# Altium PCB Arribada-PMP-PCB_ALEKSEJ_nov.-02-115654-2020_Conflict.PcbDoc (part 2 of 4) (continued)
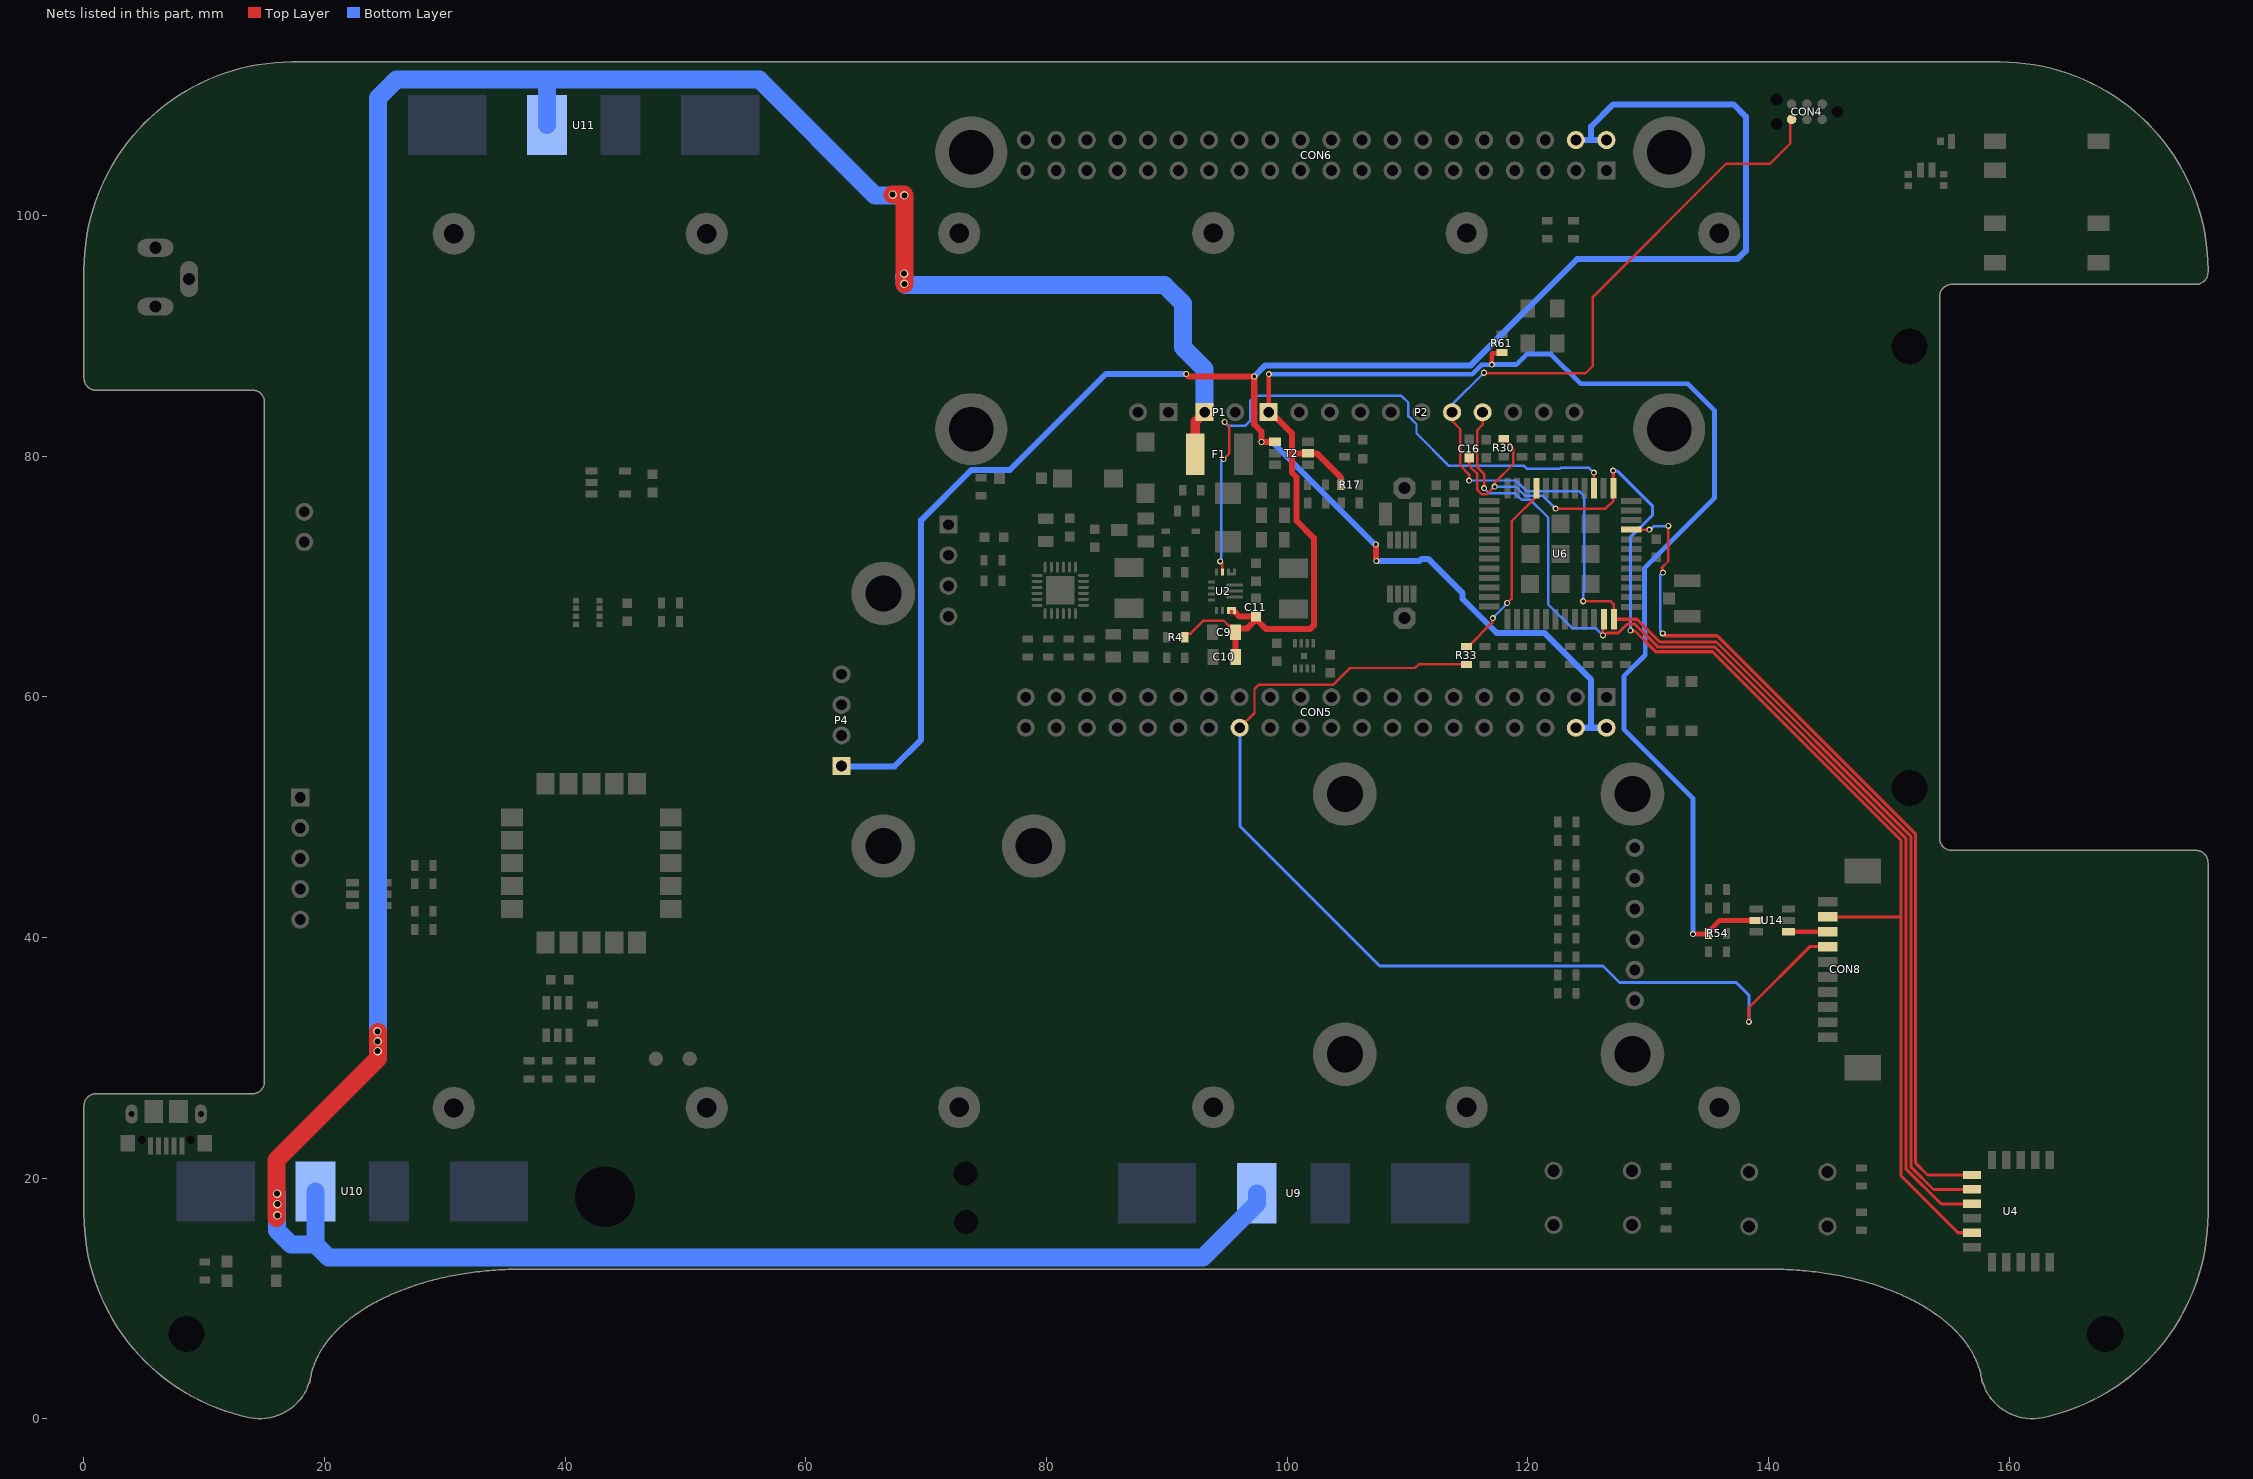
[diagram p2: the nets of this part, all layers, seen from the top]
## Part data (continued)
R36 R46 R61: library part "R - 10k", "MULTICOMP - MCMR06X103 JTL - RES, CERAMIC, 10K, 5%, 0.1W, 0603", IRNAS Part No.=I-100008, Manufacturer=MULTICOMP, Manufacturer Part Number="MCMR06X103 JTL", Power Rating=100, Resistance=10, Resistance Tolerance="± 5%", Resistor Case Style="0603 [1608 Metric]", Resistor Element Material=Ceramic, Supplier Part Number 1=2073356, Temperature Coefficient="± 100", Voltage Rating=75, Automotive Qualification Standard="-<!--FANDB--><div class=\"features-and-benefits-container\"><div class=\"features-and-benefits-description\"><span class=\"features-benefits-value\">The Multicomp MCMR series resistors are automotive grade, anti sulphured thick film chip resistor. The resistance range includes E24 and E96 decade values from 1ohm to 10Mohm. These resistors are constructed on top of a high grade ceramic body.</span></div><div class=\"features-and-benefits-list\"><ul class=\"features-and-benefits-list-list\"><li class=\"features-and-benefits-list-item\">EIA 0402, 0603, 0805, 1206 chip sizes available</li><li class=\"features-and-benefits-list-item\">High reliability and stability</li><li class=\"features-and-benefits-list-item\">Automotive grade AEC-Q200 compliant</li><li class=\"features-and-benefits-list-item\">Complaint with (IEC 60068-1) 55/155/56 climatic category</li><li class=\"features-and-benefits-list-item\">Maximum operation voltage of 50V, 75V, 150V and 200V</li><li class=\"features-and-benefits-list-item\">Power rating of 62.5mW, 100mW, 125mW and 250mW</li><li class=\"features-and-benefits-list-item\">Available in ±1% and ±5% tolerance</li><li class=\"features-and-benefits-list-item\">Temperature coefficient (TCR) of +200ppm/°C, +100ppm/°C and -200ppm/°C to +400ppm/°C</li><li class=\"features-and-benefits-list-item\">Operating temperature range -55°C to 155", ComponentLink1Description=http://www.farnell.com/datasheets/1716707.pdf, ComponentLink1URL=http://www.farnell.com/datasheets/1716707.pdf, Packaging="Cut Tape", Pricing 1="10=0.0087, 100=0.0074, 500=0.0061, 1000=0.0048, 2500=0.0032, 5000=0.0024, 25000=0.0016, 50000=0.0013 (GBP)", Product Range="MCMR Series", RoHS=Y-EX, Stock 1=19791, Supplier 1=Farnell
R40: library part "R - 2k2", "MULTICOMP - MCMR06X2201FTL - RES, CERAMIC, 2K2, 1%, 0.1W, 0603", IRNAS Part No.=I-100024, Manufacturer=MULTICOMP, Manufacturer Part Number=MCMR06X2201FTL, Supplier Part Number 1=2073429, ComponentLink1Description=http://www.farnell.com/datasheets/1716707.pdf, ComponentLink1URL=http://www.farnell.com/datasheets/1716707.pdf, Pricing 1="10=0.0099, 100=0.0059, 500=0.0042, 1000=0.0033, 2500=0.0027 (GBP)", RoHS=Y-EX, Stock 1=17638, Supplier 1=Farnell
R49 R51 R53 R54 R55 R56: library part "R - 100k", "MULTICOMP - MCMR06X104 JTL - RES, CERAMIC, 100K, 5%, 0.1W, 0603", IRNAS Part No.=I-100007, Manufacturer=MULTICOMP, Manufacturer Part Number="MCMR06X104 JTL", Power Rating=100, Resistance Tolerance="± 5%", Resistor Case Style="0603 [1608 Metric]", Resistor Element Material=Ceramic, Resistor Mounting="Surface Mount Device<!--FANDB--><div class=\"features-and-benefits-container\"><div class=\"features-and-benefits-description\"><span class=\"features-benefits-value\">The Multicomp MCMR series resistors are automotive grade, anti sulphured thick film chip resistor. The resistance range includes E24 and E96 decade values from 1ohm to 10Mohm. These resistors are constructed on top of a high grade ceramic body.</span></div><div class=\"features-and-benefits-list\"><ul class=\"features-and-benefits-list-list\"><li class=\"features-and-benefits-list-item\">EIA 0402, 0603, 0805, 1206 chip sizes available</li><li class=\"features-and-benefits-list-item\">High reliability and stability</li><li class=\"features-and-benefits-list-item\">Automotive grade AEC-Q200 compliant</li><li class=\"features-and-benefits-list-item\">Complaint with (IEC 60068-1) 55/155/56 climatic category</li><li class=\"features-and-benefits-list-item\">Maximum operation voltage of 50V, 75V, 150V and 200V</li><li class=\"features-and-benefits-list-item\">Power rating of 62.5mW, 100mW, 125mW and 250mW</li><li class=\"features-and-benefits-list-item\">Available in ±1% and ±5% tolerance</li><li class=\"features-and-benefits-list-item\">Temperature coefficient (TCR) of +200ppm/°C, +100ppm/°C and -200ppm/°C to +400ppm/°C</li><li class=\"features-and-benefits-list-item\">Operating temperature range -55°C to 155", Supplier Part Number 1=2073357, Temperature Coefficient="± 100", Voltage Rating=75, Automotive Qualification Standard=-, ComponentLink1Description=http://www.farnell.com/datasheets/1716707.pdf, ComponentLink1URL=http://www.farnell.com/datasheets/1716707.pdf, Packaging="Cut Tape", Pricing 1="10=0.0109, 100=0.0085, 500=0.006, 1000=0.0048, 2500=0.004, 5000=0.003, 25000=0.002, 50000=0.0016 (GBP)", Product Range="MCMR Series", Resistance=100, RoHS=Y-EX, Stock 1=187, Supplier 1=Farnell
S1: "SWITCH TACTILE SPST-NO 0.05A 32V", Case/Package=SMD/SMT, Current Rating=50mA, Manufacturer="ITT C&K", Manufacturer Part Number=KMR221NGLFS, Max Operating Temperature=85°C, Max Voltage Rating (DC)=32V, Min Operating Temperature=-40°C, Operating Force=2N, Package Quantity=1, Power Rating=1W, Supplier Part Number 1=2845727, Actuator Length=0.5mm, Actuator Type=Standard, ComponentLink1Description=https://www.ckswitches.com/media/1479/kmr2.pdf?src-supplier=Digi-Key, ComponentLink1URL=https://www.ckswitches.com/media/1479/kmr2.pdf?src-supplier=Digi-Key, ComponentLink2Description=http://www.ck-components.com/14414/kmr2_9aug12.pdf/?src-supplier=Avnet+Europe, ComponentLink2URL=http://www.ck-components.com/14414/kmr2_9aug12.pdf/?src-supplier=Avnet+Europe, ComponentLink3Description=http://www1.futureelectronics.com/doc/C%20-%20K%20COMPONENTS/KMR221NGLFS.pdf?src-supplier=Future+Electronics, ComponentLink3URL=http://www1.futureelectronics.com/doc/C%20-%20K%20COMPONENTS/KMR221NGLFS.pdf?src-supplier=Future+Electronics, Contact Material=Silver, Contact Plating=Silver, Depth=4.6mm, Illumination Type=Non-Illuminated, Lead Free="Lead Free", Length=2.8mm, Max Current Rating=50mA, Mechanical Life=200000Cycles, Mount="Surface Mount", Orientation=Straight, Packaging="Tape and Reel", Pricing 1="10 = 0.29100, 500 = 0.27600, 1000 = 0.21800, 5000 = 0.18500, 10000 = 0.18100 (GBP)", Radiation Hardening=No, RoHS=Yes, Stock 1=3038, Supplier 1=Farnell, Switch Function=Off-Mom, Switch Travel=0.25mm, Termination="Gull Wing", Throw Configuration=SPST, Voltage Rating (DC)=32V
SW1: library part "Tactile button", "SWITCH TACTILE SPST-NO 0.05A 32V", Actuator Color=N/A, Contact Rating @ Voltage="1 A", Dielectric Strength=">=250 Vrms", Manufacturer="ITT C&K", Manufacturer Part Number=KMR221NGLFS, Maximum DC Voltage Rating="32 V", Minimum Insulation Resistance=">=1000 MOhm", Operating Force="2 N", Operating Temperature="-40 to 85 C", Supplier Part Number 1=2845727, Actuator Length="0.5 mm", Actuator Style="Round Button", Base Material=N/A, Body Orientation=Straight, ComponentLink1Description=https://www.ckswitches.com/media/1479/kmr2.pdf, ComponentLink1URL=https://www.ckswitches.com/media/1479/kmr2.pdf, ComponentLink2Description=http://www.ck-components.com/14414/kmr2_9aug12.pdf/, ComponentLink2URL=http://www.ck-components.com/14414/kmr2_9aug12.pdf/, ComponentLink3Description=http://www.ck-components.com/index.php?module=media&action=Display&cmpref=14414&lang=en&width=&height=&format=&alt=, ComponentLink3URL=http://www.ck-components.com/index.php?module=media&action=Display&cmpref=14414&lang=en&width=&height=&format=&alt=, ComponentLink4Description=http://www1.futureelectronics.com/doc/C%20-%20K%20COMPONENTS/KMR221NGLFS.pdf, ComponentLink4URL=http://www1.futureelectronics.com/doc/C%20-%20K%20COMPONENTS/KMR221NGLFS.pdf, Contact Material=Silver, Contact Plating=Silver, Dimension="2.8 x 4.6 x 1.9 mm", ECCN=EAR99, Electrical Life=N/A, Family="KMR 2", Ground Terminal=No, Housing Material=N/A, HTS=8536501199, Illumination Type=N/R, Maximum AC Voltage Rating=N/A, Mechanical Life="200000 Cycles", Mounting="Surface Mount,Gull Wing", Packaging="Tape and Reel", Part No=KMR221NGLFS, Pole Throw Configuration=SPST, Pricing 1="10=0.278, 500=0.264, 1000=0.208, 5000=0.204, 10000=0.2 (GBP)", Product Weight=N/A, RoHS=Yes, Seal Description=N/A, Seal Location=N/A, Stock 1=4985, Supplier 1="C&K Components", Supplier Standard Pack=7,000, Switch Configuration=N.O., Type=Micro-Miniature
SW2 SW3: "Tactile Switch, B3F Series, Top Actuated, Through Hole, Round Button, 100 gf, 50mA at 24VDC", Supplier Part Number 1=959698, ComponentLink1Description=Datasheet, ComponentLink1URL=https://4donline.ihs.com/images/VipMasterIC/IC/OMRN/OMRN-S-A0001309768/OMRN-S-A0001309768-1.pdf?hkey=52A5661711E402568146F3353EA87419, Supplier 1=Farnell
T1: "ON SEMICONDUCTOR/FAIRCHILD - MMBT3904 - TRANSISTOR, NPN, SOT-23", Collector Emitter Saturation Voltage Vce(on)=200, Collector Emitter Voltage V(br)ceo=40, Current Ic hFE=10, DC Current Gain hFE=300, Manufacturer="ON SEMICONDUCTOR/FAIRCHILD", Operating Temperature Max=150, Operating Temperature Min=-55, Operating Temperature Range="-55°C to +150", Power Dissipation Pd=350, Supplier Part Number 1=9846727, Transistor Case Style=SOT-23, Voltage Vcbo="60V<!--FANDB--><div class=\"features-and-benefits-container\"><div class=\"features-and-benefits-description\"><span class=\"features-benefits-value\">The MMBT3904 from Fairchild is a surface mount, NPN general purpose amplifier in SOT-23 package. This device is suitable for general purpose amplification and switching applications.</span></div><div class=\"features-and-benefits-list\"><ul class=\"features-and-benefits-list-list\"><li class=\"features-and-benefits-list-item\">Collector to emitter voltage (Vce) of 40V</li><li class=\"features-and-benefits-list-item\">Collector to emitter saturation voltage of 300mV at 50mA collector current</li><li class=\"features-and-benefits-list-item\">Power dissipation of 350mW</li><li class=\"features-and-benefits-list-item\">DC collector current of 200mA</li><li class=\"features-and-benefits-list-item\">DC current gain of 30 at Ic=100mA</li><li class=\"features-and-benefits-list-item\">Operating junction temperature range from -55°C to 150", Automotive Qualification Standard=-, ComponentLink1Description=http://www.farnell.com/datasheets/2304127.pdf, ComponentLink1URL=http://www.farnell.com/datasheets/2304127.pdf, ComponentLink2Description=http://www.farnell.com/datasheets/1942444.pdf, ComponentLink2URL=http://www.farnell.com/datasheets/1942444.pdf, Continuous Collector Current Ic Max=200, Current Ic Continuous a Max=200, DC Collector Current=200, Device Marking=BT3904, Gain Bandwidth ft Min=300, Gain Bandwidth ft Typ=300, hFE Min=100, Manufacturer Part Number=MMBT3904, MSL="MSL 1 - Unlimited", No. of Pins=3, No. of Transistors=1, Noise Factor Max=5, Packaging="Cut Tape", Power Dissipation Ptot Max=350, Pricing 1="5=0.121, 50=0.043, 250=0.0401, 500=0.0261, 1500=0.0256 (GBP)", Product Range=-, RoHS=YES, SMD Marking=1, Stock 1=54090, Supplier 1=Farnell, SVHC="No SVHC (15-Jun-2015)", Transistor Polarity=NPN, Transition Frequency ft=300
T2: "DIODES INC. - DMG6602SVT - MOSFET, NP CH, , 30V, 3.4, ATSOT23", Continuous Drain Current Id=3.4, Continuous Drain Current Id, P Channel=-2.8, Drain Source Voltage Vds=30, Drain Source Voltage Vds, P Channel=-30, Manufacturer="DIODES INC.", On Resistance Rds(on)=0.038, On Resistance Rds(on), P Channel=0.073, Operating Temperature Max=150, Operating Temperature Min=-55, Operating Temperature Range="-55°C to +150°C<!--FANDB--><div class=\"features-and-benefits-container\"><div class=\"features-and-benefits-description\"><span class=\"features-benefits-value\">The DMG6602SVT from Diode Inc is a surface mount complementary pair enhancement mode MOSFET in TSOT-26 package. This MOSFET features low input capacitance, fast switching speed and low input/output leakage, designed to minimize the onstate resistance and maintain superior switching performance, making it ideal for high efficiency power management applications and backlighting.</span></div><div class=\"features-and-benefits-list\"><ul class=\"features-and-benefits-list-list\"><li class=\"features-and-benefits-list-item\">Automotive grade AEC-Q101 qualified</li><li class=\"features-and-benefits-list-item\">UL recognized</li><li class=\"features-and-benefits-list-item\">Drain to source voltage (Vds) of 30V</li><li class=\"features-and-benefits-list-item\">Gate to source voltage (Vgs) of ±20V</li><li class=\"features-and-benefits-list-item\">Continuous drain current of 3.4A</li><li class=\"features-and-benefits-list-item\">Power dissipation (Pd) of 1.27W</li><li class=\"features-and-benefits-list-item\">Operating temperature range -55°C to 150°C</li><li class=\"features-and-benefits-list-item\">Low on state resistance of 38mohm at Vgs of 10", Power Dissipation Pd=1.12, Rds(on) Test Voltage Vgs=10, Supplier Part Number 1=2061522, Threshold Voltage Vgs=1, Transistor Case Style=TSOT-26, Automotive Qualification Standard=-, ComponentLink1Description=http://www.farnell.com/datasheets/1915929.pdf, ComponentLink1URL=http://www.farnell.com/datasheets/1915929.pdf, Continuous Drain Current Id, N Channel=3.4, Drain Source Voltage Vds, N Channel=30, Manufacturer Part Number=DMG6602SVT, Module Configuration=Dual, MSL=-, No. of Pins=6, On Resistance Rds(on), N Channel=0.038, Pricing 1="1=0.363, 25=0.339, 100=0.169, 250=0.166, 500=0.108, 1000=0.0809, 2000=0.0793, 6000=0.0777 (GBP)", Product Range=-, RoHS=YES, Stock 1=4881, Supplier 1=Farnell, SVHC="No SVHC (17-Dec-2015)", Transistor Polarity="N and P Channel"
TP1 TP2: "TEST POINT ROUND SMD", ComponentLink1Description=Datasheet, FIT=0.94, Komp / Device=SMD
U1: "IC LI+ CHARGER PWR MGMT 24VQFN", Battery Pack Voltage=4.2V, Charge Current - Max=3A, Current - Charging="Constant - Programmable", Manufacturer="Texas Instruments", Operating Temperature="-40°C ~ 85°C (TA)", Package / Case="24-VFQFN Exposed Pad", Supplier Device Package="24-VQFN (4x4)", Supplier Part Number 1=2373541, Voltage - Supply (Max)=6.2V, Battery Chemistry=Lithium-Ion/Polymer, Category="Integrated Circuits (ICs)", ComponentLink1Description=http://www.ti.com/lit/ds/symlink/bq24296.pdf, ComponentLink1URL=http://www.ti.com/lit/ds/symlink/bq24296.pdf, Fault Protection="Over Current, Over Temperature, Over Voltage", Interface=I²C, Manufacturer Part Number=BQ24296RGET, Number of Cells=1, Packaging="Cut Tape (CT)", Part Status=Active, Programmable Features=-, RoHS="RoHS Compliant", Supplier 1=Farnell
U2: "TEXAS INSTRUMENTS - TPS630701RNMT - DC/DC CONV, BUCK-BOOST, 2.4MHZ, VQFN-15", DC / DC Converter IC Case=VQFN, Input Voltage Max=16, Input Voltage Min=2, Manufacturer="TEXAS INSTRUMENTS", Operating Temperature Max=125, Output Voltage Nom.=5, Supplier Part Number 1=2643432, Switching Frequency=2.4, Automotive Qualification Standard=-, ComponentLink1Description=http://www.ti.com/general/docs/lit/getliterature.tsp?genericPartNumber=TPS63070&fileType=pdf, ComponentLink1URL=http://www.ti.com/general/docs/lit/getliterature.tsp?genericPartNumber=TPS63070&fileType=pdf, Manufacturer Part Number=TPS630701RNMT, MSL="MSL 1 - Unlimited", No. of Pins=15, Output Current=2, Packaging="Cut Tape", Pricing 1="1=2.23, 10=1.87, 100=1.7, 250=1.56, 500=1.47, 1000=1.21 (GBP)", Product Range=-, RoHS=YES, Stock 1=456, Supplier 1=Farnell, SVHC="No SVHC (17-Dec-2015", Topology=Buck-Boost
U3: library part "V_LIN - MCP1810T-30I/J8A", "IC REG LINEAR 3V 150MA 8VDFN", Manufacturer=Microchip, Supplier Part Number 1=2678433, ComponentLink1Description=http://www.farnell.com/datasheets/2182064.pdf?src-supplier=Farnell, ComponentLink1URL=http://www.farnell.com/datasheets/2182064.pdf?src-supplier=Farnell, ComponentLink2Description=http://www.microchip.com/mymicrochip/filehandler.aspx?ddocname=en587589&src-supplier=Digi-Key, ComponentLink2URL=http://www.microchip.com/mymicrochip/filehandler.aspx?ddocname=en587589&src-supplier=Digi-Key, Manufacturer Part Number=MCP1810T-30I/J8A, Pricing 1="1 = 0.41700, 25 = 0.35100, 100 = 0.31200 (EUR)", RoHS=No, Stock 1=121, Supplier 1=Farnell
U4: library part RN4871-V/RM118, "MICROCHIP         RN4871-V/RM118             BLE MOD W/ANTENNA, 2.442MHZ, 0.1DBI                          New", Manufacturer=Microchip, Operating Temperature Max=70°C, Operating Temperature Min=-20°C, Supplier Part Number 1=2664514, Supply Voltage Max=3.6V, Supply Voltage Min=1.9V, Bluetooth Class="Class 2", Bluetooth Version="Bluetooth 4.2", Data Rate=-, Manufacturer Part Number=RN4871-V/RM118, Pricing 1="1=5.4, 25=5.08, 100=4.98 (GBP)", Product Range="RN Series", Receive Sensitivity=-90dBm, Signal Range Max=-, Stock 1=2428, Supplier 1=Farnell, SVHC="No SVHC (17-Dec-2015)"
U5: "IC RTC/CALENDAR I2C LP 8MSOP", Case/Package=MSOP, Manufacturer=Intersil, Max Operating Temperature=85°C, Max Supply Voltage=5.5V, Min Operating Temperature=-40°C, Min Supply Voltage=2.7V, Package Quantity=250, Supplier Part Number 1=2543322, ComponentLink1Description=https://datasheet.ciiva.com/16293/fn8085-16293145.pdf, ComponentLink1URL=https://datasheet.ciiva.com/16293/fn8085-16293145.pdf, ComponentLink2Description=https://datasheet.ciiva.com/8145/fn8085-8145071.pdf, ComponentLink2URL=https://datasheet.ciiva.com/8145/fn8085-8145071.pdf, ComponentLink3Description=https://datasheet.ciiva.com/6668/fn8085-6668119.pdf, ComponentLink3URL=https://datasheet.ciiva.com/6668/fn8085-6668119.pdf, ComponentLink4Description=https://datasheet.ciiva.com/6668/fn8085-6668117.pdf, ComponentLink4URL=https://datasheet.ciiva.com/6668/fn8085-6668117.pdf, ComponentLink5Description=https://datasheet.ciiva.com/6668/fn8085-6668118.pdf, ComponentLink5URL=https://datasheet.ciiva.com/6668/fn8085-6668118.pdf, Date Format=YY-MM-DD-dd, Interface=I2C,Serial,2-Wire, Lead Free="Lead Free", Logic Function=Clock, Manufacturer Part Number=ISL1208IU8Z-T7A, Memory Size=2B, Mount="Surface Mount", Non-volatile Memory Size=2B, Number of Pins=8, Packaging="Tape and Reel", Pricing 1="1=2.63, 10=2.24, 25=2.12, 50=2.01, 100=1.89, 250=1.84, 500=1.65, 1000=1.37 (EUR)", Radiation Hardening=No, REACH SVHC=Unknown, Stock 1=321, Supplier 1=Farnell, Time Format=HH:MM:SS
U6: library part "Lora Module Murata", "Lora Module Murata", Manufacturer=Murata, Manufacturer Part Number=CMWX1ZZABZ-091, Supplier Part Number 1=2802546, Pricing 1="1=11.7, 5=11.06, 10=9.94, 50=9.54, 100=9.14, 250=8.05 (GBP)", Stock 1=175, Supplier 1=Farnell
U7: "MICROCHIP   24AA02E48T-I/OT   EEPROM, EUI-48 Node Identity, 2 Kbit, 2 BLK (128K x 8bit), 400 kHz, I2C, SOT-23, 5 Pins", Case/Package=SOT-23, Frequency=400kHz, Manufacturer=Microchip, Max Frequency=100kHz, Max Operating Temperature=85°C, Max Supply Voltage=5.5V, Min Operating Temperature=-40°C, Min Supply Voltage=1.7V, Nominal Supply Current=3mA, Operating Supply Voltage=5V, Package Quantity=3000, Supplier Part Number 1=1688855, Access Time=3500ns, ComponentLink1Description=http://www.farnell.com/datasheets/1725195.pdf?src-supplier=Element14, ComponentLink1URL=http://www.farnell.com/datasheets/1725195.pdf?src-supplier=Element14, ComponentLink2Description=http://www.farnell.com/datasheets/631538.pdf?src-supplier=Element14, ComponentLink2URL=http://www.farnell.com/datasheets/631538.pdf?src-supplier=Element14, ComponentLink3Description=http://ww1.microchip.com/downloads/en/DeviceDoc/22124D.pdf?src-supplier=Avnet+Europe, ComponentLink3URL=http://ww1.microchip.com/downloads/en/DeviceDoc/22124D.pdf?src-supplier=Avnet+Europe, ComponentLink4Description=http://www.microchip.com/mymicrochip/filehandler.aspx?ddocname=en538826&src-supplier=Future+Electronics, ComponentLink4URL=http://www.microchip.com/mymicrochip/filehandler.aspx?ddocname=en538826&src-supplier=Future+Electronics, ComponentLink5Description=http://www.produktinfo.conrad.com/datenblaetter/650000-674999/651228-da-01-en-EEPROM_24AA02E48T_I_OT_SOT_23_5_MCP.pdf?src-supplier=Conrad, ComponentLink5URL=http://www.produktinfo.conrad.com/datenblaetter/650000-674999/651228-da-01-en-EEPROM_24AA02E48T_I_OT_SOT_23_5_MCP.pdf?src-supplier=Conrad, Density=2Kb, Height=1.3mm, Interface=I2C,Serial, Lead Free="Lead Free", Length=3.1mm, Manufacturer Part Number=24AA02E48T-I/OT, Memory Size=2Kb, Memory Type=EEPROM, Mount="Surface Mount", Number of Pins=5, Packaging="Tape and Reel", Pricing 1="1 = 0.17600, 10 = 0.17100, 25 = 0.16400, 50 = 0.16000, 100 = 0.15600 (GBP)", Radiation Hardening=No, REACH SVHC="No SVHC", RoHS=Yes, Stock 1=13638, Supplier 1=Farnell, Termination=SMD/SMT, Width=1.8mm
U8: Supplier Part Number 1="OLED SSD 1306 display"
U9 U10 U11: Supplier Part Number 1="Battery protection"
U12: library part "RF - UBLOX-SAM-M8Q", "SAM-M8 RF Receiver BeiDou, Galileo, GLONASS, GNSS, GPS -160dBm", Manufacturer=u-blox, Manufacturer Part Number=MAX-M8Q-0, Supplier Part Number 1=672-1054-1-ND, Stock 1=10805, Supplier 1=Digi-Key
U13: library part "SEN - BME280", "Humidity Temperature Sensor 0 ~ 100% RH I²C, SPI ±3% 1s Surface Mount", Supplier Part Number 1=828-1063-6-ND, ComponentLink1Description=Datasheet, ComponentLink1URL=https://ae-bst.resource.bosch.com/media/_tech/media/datasheets/BST-BME280-DS002.pdf, Supplier 1=Digi-Key
U14 U15 U16: library part "T_M - DMG6602SVT", "Dual MOSFET, N and P Channel, 3.4 A, 30 V, 0.038 ohm, 10 V, 1 V", Supplier Part Number 1=2061522, ComponentLink1Description=Datasheet, ComponentLink1URL=http://www.farnell.com/datasheets/1915929.pdf?_ga=2.95290844.1984085946.1565589483-1741076818.1563951383, Supplier 1=Farnell
X1: library part LFXTAL009678, "CRYSTAL, 32.768KHZ, 12.5PF, SMD", Case/Package=217, Frequency=32.8kHz, Load Capacitance=12.5pF, Manufacturer=IQD, Max Operating Temperature=85°C, Min Operating Temperature=-40°C, Supplier Part Number 1=2449398, ComponentLink1Description=https://datasheet.ciiva.com/46419/1852967-46419749.pdf, ComponentLink1URL=https://datasheet.ciiva.com/46419/1852967-46419749.pdf, Manufacturer Part Number=LFXTAL009678, Number of Pins=2, Pricing 1="5=0.283, 50=0.203, 250=0.169, 500=0.163, 1500=0.157, 3000=0.152, 15000=0.146 (EUR)", REACH SVHC="No SVHC", Stock 1=15609, Supplier 1=Farnell
?: "PCB top overlay Serial number frame"

## Free pads (board coordinates)
  round 6 hole 3.7: 0(73.736,105.251) 0(73.737,82.251) 0(131.736,105.251) 0(131.737,82.251)
  oval 0.8x1.6 hole 3: ""(8.528,7.034) ""(151.715,52.421) ""(151.715,89.121) ""(167.98,7.06)
  oval 0.8x1.6 hole 5: ""(43.296,18.451)
  round 5.3 hole 3: ""(66.431,47.595) ""(66.431,68.595) ""(78.931,47.595) ""(104.782,30.294) ""(104.782,51.914) ""(128.682,30.294) ""(128.682,51.914)
  oval 0.8x1.6 hole 2: ""(73.266,20.381) ""(73.286,16.371)

## Via types
v1: diameter 0.5, hole 0.3, Top Layer to Bottom Layer, tented both sides, 970 vias
v2: diameter 0.7, hole 0.5, Top Layer to Bottom Layer, tented both sides, 10 vias
v3: diameter 0.5, hole 0.3, Top Layer to Bottom Layer, 2 vias

## Nets (pads, with @x,y where several pads share a name; then routed paths per layer and width w, separated by ;. In a path a pad name is that pad's centre, name@x,y a point inside that pad or via, vN(x,y) a via of type N, cw(c..) or ccw(c..) an arc to the next point about the centre after c; other vN are vias at no path point)
5V_FET_OUT: CON5.2 CON5.4 CON6.2 CON6.4 P4.1 T2.4 | length 183.3
  Top Layer w0.5: v1(91.596,86.831) 91.806,86.621 v1(97.256,86.621) 97.256,82.639 97.857,82.039 v1(97.857,81.176) 98.987,81.176 T2.4@98.992,81.181 ; v1@107.367,71.437 107.408,71.395 v1(107.408,71.29) ; v1@107.367,71.437 v1(107.367,72.661)
  Bottom Layer w0.5: P4.1@62.665,53.742 63.128,54.205 67.355,54.205 69.575,56.425 69.575,74.683 73.74,78.849 76.951,78.849 84.933,86.831 v1(91.596,86.831) ; v1(97.256,86.621) 98.176,87.541 115.252,87.541 124.076,96.366 137.409,96.366 138.105,97.061 138.105,108.222 137.086,109.241 127.096,109.241 125.254,107.399 125.254,106.271 ; v1(97.857,81.176) 98.768,81.176 107.283,72.661 v1(107.367,72.661) ; v1(107.408,71.29) 110.993,71.29 111.167,71.464 111.707,71.464 114.573,68.597 114.573,68.129 117.391,65.311 121.346,65.311 125.255,61.403 125.255,57.428 ; CON5.4@123.985,57.428 125.255,57.428 ; CON6.4@123.984,106.271 125.254,106.271 ; CON5.2@126.525,57.428 125.255,57.428 ; CON6.2@126.524,106.271 125.254,106.271
+5V: C9.2 C10.2 C11.2 P2.1 R4.2 R17.1 R54.2 R61.2 T2.2 U2.7 U2.8 U14.2 | length 141.5
  Top Layer w0.203: R4.2@91.487,64.951 91.487,65.05 91.685,65.248 91.964,65.248 93.047,66.331 94.717,66.331 95.148,65.9 95.348,65.9 C9.2@95.567,65.681
  Top Layer w0.4: P2.1@98.457,83.651 98.466,83.66 v1(98.466,86.811) ; v1(116.996,87.611) 116.996,88.511 117.035,88.55 117.765,88.55 R61.2@117.836,88.621 ; v1(133.716,40.281) 133.735,40.3 134.906,40.3 135.006,40.4 135.006,40.491 135.936,41.421 U14.2@138.966,41.421
  Top Layer w0.5: 95.317,67.101 95.594,67.101 96.019,66.676 C11.2@97.402,66.676 97.402,66.465 98.247,65.619 101.883,65.619 102.207,65.942 102.207,73.192 100.767,74.632 100.767,78.251 100.377,78.641 100.377,80.231 ; C10.2@95.517,62.911 95.717,63.111 C10.2@95.717,63.311 95.697,63.331 95.697,64.201 95.717,64.221 C9.2@95.717,65.351 ; C9.2@95.567,65.681 96.678,65.681 C11.2@97.316,66.319 ; 95.717,64.181 95.717,64.201 ; P2.1@98.637,83.651 100.377,81.911 100.377,80.231 ; R17.1@104.477,77.621 104.477,78.192 102.438,80.231 T2.2@101.742,80.231 100.377,80.231
  Bottom Layer w0.4: v1(98.466,86.811) 115.374,86.811 116.155,87.592 116.976,87.592 v1(116.996,87.611) 119.034,87.611 119.904,88.481 121.916,88.481 124.387,86.01 133.293,86.01 135.495,83.808 135.495,76.518 129.696,70.719 129.696,65.327 129.747,65.277 129.747,63.474 127.978,61.705 127.978,57.299 133.716,51.561 v1(133.716,40.281)
+5V_FET_OUT: CON8.8 U14.4 | length 3.3
  Top Layer w0.4: U14.4@141.666,40.471 141.668,40.469 144.923,40.469 CON8.8@144.926,40.466
+VBAT: F1.2 P1.1 U9.2 U10.2 U11.2 | length 290.4
  Top Layer w0.8: F1.2@92.367,80.151 92.367,82.881 P1.1@93.137,83.651
  Top Layer w1.5: v2@15.995,16.671 15.995,21.501 24.435,29.941 v2@24.435,32.131 ; v2(67.205,101.731) 68.13,101.731 68.185,101.676 v2(68.185,94.321)
  Bottom Layer w1.5: v2@16.055,16.901 16.055,15.641 ; v2(16.055,18.711) 16.055,15.641 ; U10.2@19.25,18.89 19.25,14.485 ; v2@24.425,30.551 24.425,32.191 24.425,109.774 25.957,111.307 38.486,111.307 U11.2@38.486,107.517 ; 38.616,111.307 56.122,111.307 65.753,101.676 v2@68.147,101.676 ; v2@68.165,94.947 68.185,94.926 v2(68.185,94.321) 68.279,94.227 89.779,94.227 91.336,92.67 91.336,89.036 93.137,87.236 P1.1@93.137,83.651 ; U9.2@97.476,18.736 97.476,17.886 92.986,13.396 20.338,13.396 19.25,14.485 ; 16.055,15.641 17.211,14.485 19.25,14.485
  other v2: 16.065,16.901 16.065,17.841 24.405,30.551 24.405,31.361 24.375,32.191 68.164,95.163 68.175,101.676
BLE_RST: C16.2 CON8.9 R30.1 U4.10 U6.37 | length 110.5
  Top Layer w0.203: C16.2@115.117,79.881 115.117,79.201 115.771,78.548 115.771,77.218 116.156,76.832 116.594,76.832 v1(117.232,77.47) 117.232,77.78 118.777,79.324 118.777,80.651 118.335,81.093 118.335,81.243 118.137,81.441 R30.1@117.987,81.441 ; v1(122.297,75.641) 126.462,75.641 127.107,76.286 U6.37@127.107,77.336
  Top Layer w0.254: v1(127.076,78.801) 127.091,78.786 127.091,77.352 U6.37@127.107,77.336 ; v1(128.516,65.511) 128.563,65.464 128.9,65.464 130.622,63.742 135.335,63.742 151.005,48.072 151.005,41.721 ; CON8.9@144.926,41.716 151,41.716 151.005,41.721 ; U4.10@156.916,15.459 155.747,15.459 151.005,20.201 151.005,41.721
  Bottom Layer w0.203: v1(117.232,77.47) 118.986,77.47 119.739,76.717 121.221,76.717 122.242,75.695 122.242,75.587 v1@122.245,75.584
  Bottom Layer w0.254: v1(127.076,78.801) 127.123,78.754 127.455,78.754 130.362,75.848 130.362,75.115 128.516,73.269 v1(128.516,65.511)
BLE_RX: CON4.6 P2.7 U4.7 U6.24 | length 137.7
  Top Layer w0.203: P2.7@113.697,83.651 113.697,82.937 114.376,82.258 114.376,79.23 115.117,78.489 v1(115.117,77.961) ; v1(116.346,86.931) 116.4,86.877 124.762,86.877 125.402,87.517 125.402,93.232 136.471,104.302 140.119,104.302 141.803,105.986 141.803,107.874 CON4.6@141.915,107.986 ; v1(124.595,67.941) 126.867,67.941 127.147,67.661 U6.24@127.147,66.431
  Top Layer w0.254: U6.24@127.147,66.431 127.162,66.447 129.067,66.447 130.959,64.555 135.671,64.555 151.818,48.408 151.818,20.948 153.706,19.059 U4.7@156.916,19.059
  Bottom Layer w0.203: P2.7@113.697,83.651 113.697,84.282 v1(116.346,86.931) ; v1(115.117,77.961) 115.13,77.974 119.012,77.974 119.914,77.072 124.286,77.072 124.68,76.678 124.68,68.78 124.595,68.695 v1(124.595,67.941)
BLE_TX: P2.8 U4.8 U6.23 | length 94.6
  Top Layer w0.203: v1(116.365,77.336) 116.365,78.517 115.772,79.11 115.772,82.141 116.237,82.606 P2.8@116.237,83.651 P2.8@116.365,83.523 ; v1(126.237,65.101) 126.237,66.362 U6.23@126.306,66.431
  Top Layer w0.254: v1(126.237,65.101) 126.303,65.101 126.503,65.301 127.511,65.301 128.232,66.021 128.277,66.021 128.296,66.041 128.899,66.041 130.791,64.148 135.503,64.148 151.411,48.24 151.411,20.779 154.332,17.859 U4.8@156.916,17.859
  Bottom Layer w0.203: v1(116.365,77.336) 116.79,76.911 118.935,76.911 119.485,76.361 120.22,76.361 121.693,74.888 121.693,67.685 123.667,65.711 125.627,65.711 v1(126.237,65.101)
BLE_UART_RX_IND: U4.6 U6.33 | length 72.9
  Top Layer w0.203: U6.33@128.597,73.886 130.09,73.886 v1(130.095,73.891) ; v1(131.228,70.321) 131.171,70.378 131.171,70.701 131.138,70.734 131.665,71.261 v1(131.665,74.201)
  Top Layer w0.254: v1(131.205,65.271) 131.403,65.073 135.728,65.073 152.224,48.577 152.224,21.242 153.207,20.259 U4.6@156.916,20.259
  Bottom Layer w0.203: v1(130.095,73.891) 130.175,73.891 130.441,74.157 131.621,74.157 v1(131.665,74.201) ; v1(131.205,65.271) 131.01,65.467 131.01,70.133 131.197,70.321 v1(131.228,70.321)
DIO1: R33.1 U6.45 | length 15.6
  Top Layer w0.203: R33.1@114.899,64.191 115.049,64.191 117.027,66.169 117.027,66.484 v1(117.084,66.541) ; v1(118.277,67.791) 118.651,68.165 118.651,73.42 118.651,74.605 120.699,76.652 120.699,77.328 U6.45@120.707,77.336
  Bottom Layer w0.203: v1(117.084,66.541) 117.084,66.57 118.277,67.763 v1(118.277,67.791)
DIO1*: CON5.26 CON8.7 R33.2 | length 90.5
  Top Layer w0.203: CON5.26@96.045,57.428 97.279,58.662 97.279,60.653 97.621,60.995 103.8,60.995 105.2,62.394 110.628,62.394 110.924,62.691 R33.2@114.899,62.691
  Top Layer w0.254: v1@138.366,33.061 138.366,34.172 143.425,39.231 144.911,39.231 CON8.7@144.926,39.216
  Bottom Layer w0.254: CON5.26@96.045,57.428 96.054,57.419 96.054,49.258 107.69,37.622 126.235,37.622 127.604,36.252 137.32,36.252 138.366,35.206 v1(138.366,32.991)
ENABLE_5V: U2.14 U6.39 | length 51
  Top Layer w0.203: v1(94.427,71.251) 94.541,71.251 94.614,71.179 U2.14@94.614,70.381 ; v1(94.717,79.749) 95.181,80.213 95.181,82.441 94.797,82.825 v1(94.797,82.841) ; v1(125.487,78.626) 125.487,77.378 125.497,77.367 125.487,77.357 U6.39@125.507,77.336
  Bottom Layer w0.203: v1(94.427,71.251) 94.427,71.331 94.518,71.423 94.518,79.55 v1(94.717,79.749) ; v1(94.797,82.841) 95.127,82.511 96.477,82.511 96.935,82.969 96.935,84.626 97.319,85.011 99.459,85.011 99.463,85.007 100.43,85.007 100.434,85.011 109.489,85.011 110.067,84.433 110.067,83.321 110.741,82.647 110.741,81.898 113.445,79.194 119.68,79.194 119.91,78.964 122.646,78.964 122.708,79.025 125.087,79.025 v1(125.487,78.626)